# KiCad board Keyboard.kicad_pcb (continued)
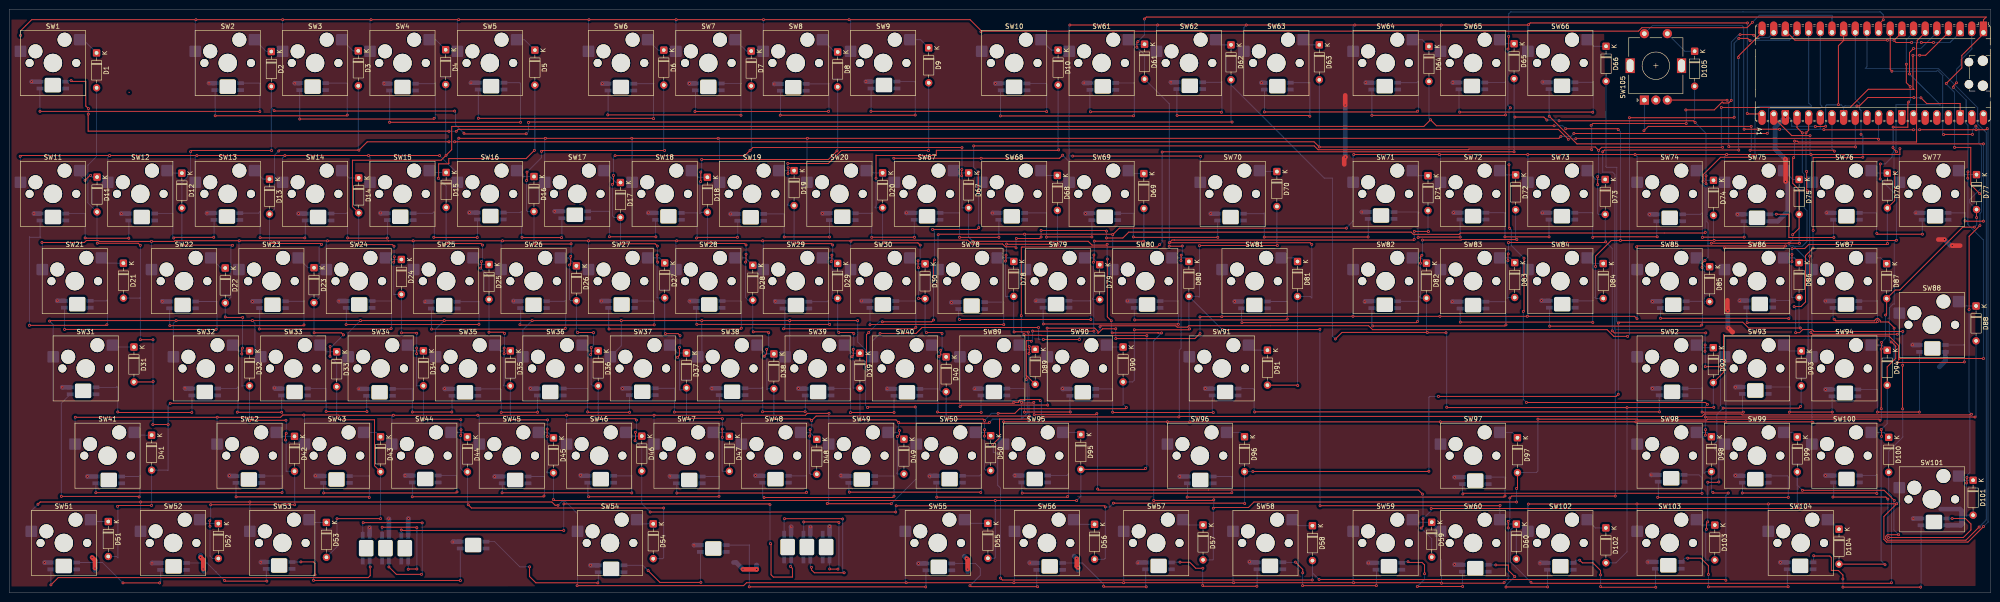
[diagram p0: board, top side]
## Routing (per net, layer and track width the routed paths; a pad name or vN(x,y) marks a point on that pad's centre or on a via; arc(x,y) is an arc through that point) (continued)
Net-(L71-DOUT): length 21.4
  Top w0.2: v1(78,39.56) 69.11,39.56 v1(69.09,39.58)
  Bottom w0.2: L72.4 69.04,44.58 69.09,44.53 v1(69.09,39.58) ; L71.2 77.94,39.62 v1(78,39.56)
Net-(L72-DOUT): length 23.4
  Top w0.2: v1(59.41,39.41) 49.75,39.41 v1(49.73,39.44)
  Bottom w0.2: L72.2 59.41,39.42 v1(59.41,39.41) ; v1(49.73,39.44) 49.88,39.58 49.88,44.9 49.86,44.9 49.55,44.59 L73.4
Net-(L73-DOUT): length 30.2
  Top w0.2: v1(23.68,39.48) 23.78,39.37 v1(39.81,39.37)
  Bottom w0.2: v1(23.68,39.48) 23.68,44.83 23.48,45.03 23.3,44.85 L74.4 ; L73.2 39.84,39.4 v1(39.81,39.37)
Net-(L74-DOUT): length 49
  Top w0.2: v1(11.37,21.06) 28.21,21.06 v1(28.34,20.93)
  Bottom w0.2: L75.4 28.29,25.4 28.51,25.62 28.51,21.1 v1(28.34,20.93) ; v1(11.37,21.06) 11.37,41.4 L74.2
Net-(L75-DOUT): length 51.1
  Top w0.2: v1(18.89,21.85) 59.44,21.85 v1(59.49,21.9)
  Bottom w0.2: L76.4 59.37,25.5 59.49,25.62 59.62,25.62 59.62,22.03 v1(59.49,21.9) ; v1(18.89,21.85) 18.9,21.86 L75.2
Net-(L76-DOUT): length 41.2
  Top w0.2: v1(78.51,20.82) 78.38,20.95 v1(49.46,20.95)
  Bottom w0.2: L77.4 78.49,25.5 78.51,25.49 v1(78.51,20.82) ; v1(49.46,20.95) 49.45,20.96 L76.2
Net-(L77-DOUT): length 39
  Top w0.2: v1(68.54,21.81) 97.42,21.81 v1(97.63,22.03)
  Bottom w0.2: v1(68.54,21.81) 68.55,21.82 L77.2 ; L78.4 97.48,25.6 97.63,25.45 v1(97.63,22.03)
Net-(L78-DOUT): length 39.8
  Top w0.2: v1(87.86,20.97) 116.41,20.97 v1(116.58,21.14)
  Bottom w0.2: L79.4 116.69,25.4 116.69,25.4 116.69,21.25 v1(116.58,21.14) ; L78.2 87.9,21.01 v1(87.86,20.97)
Net-(L79-DOUT): length 38.1
  Top w0.2: v1(107.44,21.83) 135.71,21.83 v1(135.73,21.81)
  Bottom w0.2: v1(107.44,21.83) 107.5,21.89 L79.2 ; v1(135.73,21.81) 135.73,25.53 135.75,25.55 L80.4
Net-(L80-DOUT): length 39.6
  Top w0.2: v1(126.31,20.97) 154.64,20.97 v1(154.75,21.08)
  Bottom w0.2: L81.4 154.68,25.4 154.75,25.34 v1(154.75,21.08) ; v1(126.31,20.97) 126.15,21.13 L80.2
Net-(L81-DOUT): length 38.2
  Top w0.2: v1(173.83,21.94) 173.68,21.79 v1(145.54,21.79)
  Bottom w0.2: v1(145.54,21.79) 145.54,23.81 L81.2 ; L82.4 173.65,25.55 173.76,25.66 173.83,25.6 v1(173.83,21.94)
Net-(L82-DOUT): length 40.5
  Top w0.2: v1(164.56,20.8) 192.59,20.8 v1(192.89,21.1)
  Bottom w0.2: v1(192.89,21.1) 192.89,25.49 192.88,25.5 L83.4 ; v1(164.56,20.8) 164.25,21.11 L82.2
Net-(L83-DOUT): length 38.9
  Top w0.2: v1(183.16,21.98) 211.71,21.98 v1(211.8,21.9)
  Bottom w0.2: L83.2 183.05,22.1 v1(183.16,21.98) ; v1(211.8,21.9) 211.91,22 211.91,25.79 211.8,25.79 211.56,25.55 L84.4
Net-(L84-DOUT): length 41.6
  Top w0.2: v1(230.75,21.04) 230.6,20.88 v1(202.2,20.88)
  Bottom w0.2: v1(230.75,21.04) 230.94,21.23 230.94,26 230.54,25.6 L85.4 ; v1(202.2,20.88) 202.2,20.89 L84.2
Net-(L85-DOUT): length 55.9
  Top w0.2: v1(266.53,21.85) 266.44,21.77 v1(220.83,21.77)
  Bottom w0.2: v1(220.83,21.77) 220.75,21.85 L85.2 ; L86.4 266.62,25.4 266.63,25.38 266.53,25.27 v1(266.53,21.85)
Net-(L86-DOUT): length 80.3
  Top w0.2: v1(326.07,21.14) 325.84,20.91 v1(256.78,20.91)
  Bottom w0.2: L86.2 256.85,20.98 v1(256.78,20.91) ; v1(326.07,21.14) 326.07,24.93 326.25,25.1 326.1,25.25 L87.4
Net-(L87-DOUT): length 62
  Top w0.2: v1(316.89,21.57) 317.06,21.74 369.01,21.74 v1(369.03,21.72)
  Bottom w0.2: L87.2 316.8,21.66 v1(316.89,21.57) ; L88.4 368.37,25.75 368.88,25.23 368.95,25.23 368.95,21.81 v1(369.03,21.72)
Net-(L88-DOUT): length 41
  Top w0.2: v1(359.35,20.84) v1(387.84,20.84)
  Bottom w0.2: L89.4 387.63,25.55 387.88,25.3 387.84,25.25 v1(387.84,20.84) ; L88.2 359.5,20.99 v1(359.35,20.84)
Net-(L89-DOUT): length 39.8
  Top w0.2: v1(407.13,21.68) 407.03,21.79 v1(377.79,21.79)
  Bottom w0.2: v1(377.79,21.79) 377.85,21.85 L89.2 ; v1(407.13,21.68) 407.13,25.86 406.88,25.6 L90.4
Net-(L90-DOUT): length 49.6
  Top w0.2: v1(409.54,20.46) 409.09,20.91 v1(397.56,20.91) ; v1(423.55,16.23) 426.44,16.23 427.64,15.03 427.64,13.73 426,12.09 v1(409.67,12.09)
  Bottom w0.2: v1(409.67,12.09) 409.54,12.22 v1(409.54,20.46) ; L91.4 422.38,16.23 v1(423.55,16.23) ; L90.2 397.72,21.07 v1(397.56,20.91)
Net-(L91-DOUT): length 44.4
  Top w0.2: v1(399.74,3.02) 399.74,3.89 398.74,4.89 397.21,4.89 397.21,7.71 396.89,8.04 393.43,8.04 v1(393.36,8.1) ; v1(399.74,1.24) v1(416.69,1.24)
  Bottom w0.2: L92.4 393.36,6.79 v1(393.36,8.1) ; v1(416.69,1.24) 416.78,1.34 L91.2 ; v1(399.74,3.02) v1(399.74,1.24)
Net-(L92-DOUT): length 32.9
  Top w0.2: v1(387.8,1.33) 387.77,1.31 v1(370.42,1.31) ; v1(365.9,7.57) 368.77,7.57 370.41,5.94 v1(370.41,4.02)
  Bottom w0.2: v1(370.41,4.02) 370.42,4.01 v1(370.42,1.31) ; v1(365.9,7.57) 365.3,7.57 L93.4 ; v1(387.8,1.33) 387.62,1.5 L92.2
Net-(L93-DOUT): length 26.8
  Top w0.2: v1(346.92,1.35) 347.05,1.22 v1(358.95,1.22) ; v1(342.36,7.13) 342.95,6.55 345.24,6.55 346.9,4.88 v1(346.9,3.91)
  Bottom w0.2: v1(346.92,1.35) 346.92,3.9 v1(346.9,3.91) ; L93.2 358.88,1.29 v1(358.95,1.22) ; v1(342.36,7.13) 341.53,7.13 L94.4
Net-(L94-DOUT): length 23.5
  Top w0.2: v1(335.37,1.29) 326.31,1.29 v1(326.29,1.26) ; v1(328.21,3.54) 326.82,4.93 326.82,6.06 324.1,6.06 v1(324.07,6.09)
  Bottom w0.2: v1(335.37,1.29) 335.35,1.31 L94.2 ; v1(328.21,3.54) 326.29,1.62 v1(326.29,1.26) 326.27,1.29 ; v1(324.07,6.09) 322.45,6.09 L95.4
Net-(L95-DOUT): length 23.9
  Top w0.2: v1(304.93,6.79) 305.08,6.65 307.99,6.65 308.54,6.09 v1(308.54,4.17) ; v1(316.84,1.39) 306.97,1.39 v1(306.95,1.37)
  Bottom w0.2: L95.2 316.81,1.43 v1(316.84,1.39) ; v1(304.93,6.79) 303.81,6.79 L96.4 ; v1(306.95,1.37) 308.54,2.97 v1(308.54,4.17)
Net-(L96-DOUT): length 28.2
  Top w0.2: v1(281.96,1.57) v1(298.04,1.57) ; v1(281.98,4.37) 281.98,5.11 v1(280.39,6.71)
  Bottom w0.2: L96.2 298.04,4.98 v1(298.04,1.57) ; v1(281.98,4.37) 281.96,4.34 v1(281.96,1.57) ; L97.4 280.33,6.65 v1(280.39,6.71)
Net-(L97-DOUT): length 26.8
  Top w0.2: v1(260.18,1.61) 260.35,1.44 v1(271.99,1.44) ; v1(260.22,5.37) 258.66,5.37 257.36,6.67 255.27,6.67 v1(255.23,6.71)
  Bottom w0.2: L98.4 253.44,6.71 v1(255.23,6.71) ; v1(271.99,1.44) 272.04,1.49 L97.2 ; v1(260.22,5.37) 260.18,5.33 v1(260.18,1.61)
Net-(L98-DOUT): length 24.6
  Top w0.2: v1(238.57,1.45) 238.71,1.31 v1(247.88,1.31)
  Bottom w0.2: L98.2 247.76,1.42 v1(247.88,1.31) ; L99.4 232.86,6.52 232.87,6.52 233.95,6.52 238.57,1.9 v1(238.57,1.45)
Net-(L100-DIN): length 30
  Top w0.2: v1(224.19,1.33) 224.17,1.35 209.63,1.35 v1(209.43,1.55)
  Bottom w0.2: v1(209.43,1.55) 211.69,3.81 211.69,5.36 210.62,6.42 L100.4 ; v1(224.19,1.33) 224.01,1.51 L99.2
Net-(L100-DOUT): length 56.4
  Top w0.2: v1(199.79,1.29) 199.77,1.31 v1(161.33,1.31)
  Bottom w0.2: v1(161.33,1.31) 161.33,10.32 161.39,10.39 161.35,10.43 L101.4 ; v1(199.79,1.29) 199.85,1.34 L100.2
Net-(L101-DOUT): length 25
  Top w0.2: v1(139.28,4.86) 141.86,2.28 v1(150.79,2.28)
  Bottom w0.2: L102.4 138.12,6 139.26,4.86 v1(139.28,4.86) ; L101.2 150.69,2.37 v1(150.79,2.28)
Net-(L102-DOUT): length 31.7
  Top w0.2: v1(113.45,5.68) 113.45,3.56 114.81,2.19 128.31,2.19 v1(128.33,2.17)
  Bottom w0.2: L102.2 128.42,2.26 v1(128.33,2.17) ; L103.4 105.82,11.18 111.32,5.68 v1(113.45,5.68)
Net-(L103-DOUT): length 48
  Top w0.2: v1(63.59,6.75) 66.3,6.75 66.67,6.39 v1(66.67,3.93) ; v1(66.34,2.73) 66.39,2.69 v1(98.36,2.69)
  Bottom w0.2: L103.2 98.34,2.71 v1(98.36,2.69) ; v1(66.67,3.93) 66.34,3.61 v1(66.34,2.73) ; v1(63.59,6.75) 62.78,6.75 62.76,6.73 L104.4
Net-(L104-DOUT): length 22
  Top w0.2: v1(46.91,2.73) 47.09,2.56 v1(56.17,2.56)
  Bottom w0.2: v1(56.17,2.56) 56.05,2.68 L104.2 ; 45.06,4.58 45.06,4.63 ; 45.06,4.58 43.12,6.52 L105.4 ; 45.06,4.58 v1(46.91,2.73)
Net-(L105-DOUT): length 22.9
  Top w0.2: v1(24.81,2.17) v1(32.79,2.17)
  Bottom w0.2: L106.4 20.31,6.62 20.33,6.64 v1(24.81,2.17) ; L105.2 33.03,2.41 v1(32.79,2.17)
Net-(L106-DOUT): length 77.1
  Top w0.2: v1(78.7,5.65) 78.7,3.75 78.27,3.33 10.7,3.33 v1(9.1,1.74)
  Bottom w0.2: v1(9.1,1.74) 9.1,5.1 L106.2 ; v1(78.7,5.65) 78.58,5.77 78.58,6.94
Net-(L107-DOUT): length 36
  Top w0.2: v1(82.78,5.65) 84.39,4.04 v1(89.89,4.04) ; v1(77.17,15.31) 89.99,15.31 v1(90.04,15.27)
  Bottom w0.2: v1(77.17,15.31) 77.08,15.22 L107.2 ; v1(82.78,5.65) 82.78,6.94 ; v1(90.04,15.27) 90.04,4.19 v1(89.89,4.04)
Net-(L108-DOUT): length 22.1
  Top w0.2: v1(81.3,14.32) 88.77,14.32 v1(88.87,14.22) ; v1(88.87,5.2) 87.05,5.2 v1(86.98,5.14)
  Bottom w0.2: 86.98,6.94 86.98,6.94 v1(86.98,5.14) ; v1(81.3,14.32) 81.28,14.3 L108.2 ; v1(88.87,14.22) v1(88.87,5.2)
Net-(L109-DOUT): length 111.7
  Top w0.2: v1(120.93,19.41) 165.69,19.41 v1(165.85,19.25) ; v1(85.48,13.72) 85.6,13.6 v1(120.9,13.6) ; v1(165.97,10.74) 166.08,10.63 166.08,3.94 166.58,3.44 170.74,3.44 170.74,5.34 v1(170.31,5.76)
  Bottom w0.2: v1(170.31,5.76) 170.44,5.89 L110.4 ; v1(120.9,13.6) 120.9,19.38 v1(120.93,19.41) ; v1(165.85,19.25) 165.85,10.86 v1(165.97,10.74) ; L109.2 85.48,13.72 v1(85.48,13.72)
Net-(L110-DOUT): length 37.7
  Top w0.2: v1(182.01,4.37) 175.53,4.37 174.89,5.01 v1(174.89,5.57) ; v1(181.69,16.12) 181.63,16.18 v1(169.01,16.18)
  Bottom w0.2: L110.2 168.94,16.12 v1(169.01,16.18) ; v1(181.69,16.12) 181.69,4.7 v1(182.01,4.37) ; v1(174.89,5.57) 174.64,5.82 L111.4
Net-(L111-DOUT): length 24.5
  Top w0.2: v1(180.88,15.34) 180.75,15.47 v1(173.2,15.47) ; v1(180.66,5.18) 178.88,5.18 v1(178.85,5.21)
  Bottom w0.2: L111.2 173.2,12.85 v1(173.2,15.47) ; v1(180.88,15.34) 180.88,5.41 v1(180.66,5.18) ; L112.4 178.85,7.18 v1(178.85,5.21)

## Copper pours and planes (outline as drawn; the poured copper is in the pictures)
+5V on Top: 0.03,125.15 347.64,125.18 348.11,96.62 428.57,96.6 428.66,1.5 0.11,1.38
GND on Bottom: 0.01,125.13 347.67,125.11 375.08,96.7 428.61,96.59 428.68,1.42 0.02,1.38
